# Altium PCB Audio_PCB.PcbDoc (part 2 of 2)
Units mm, origin at the board's own origin, x right, y up, seen from the top; angles counter-clockwise.
Board outline 165.1 x 125.35 mm, 4 copper layers (Top Layerr(SIG), Layer 2(GND), Layer 3(GND), Bottom Layer(SIG)), stack 1.56 mm thick; 101 components, 115 nets, 454 pads, 282 vias.
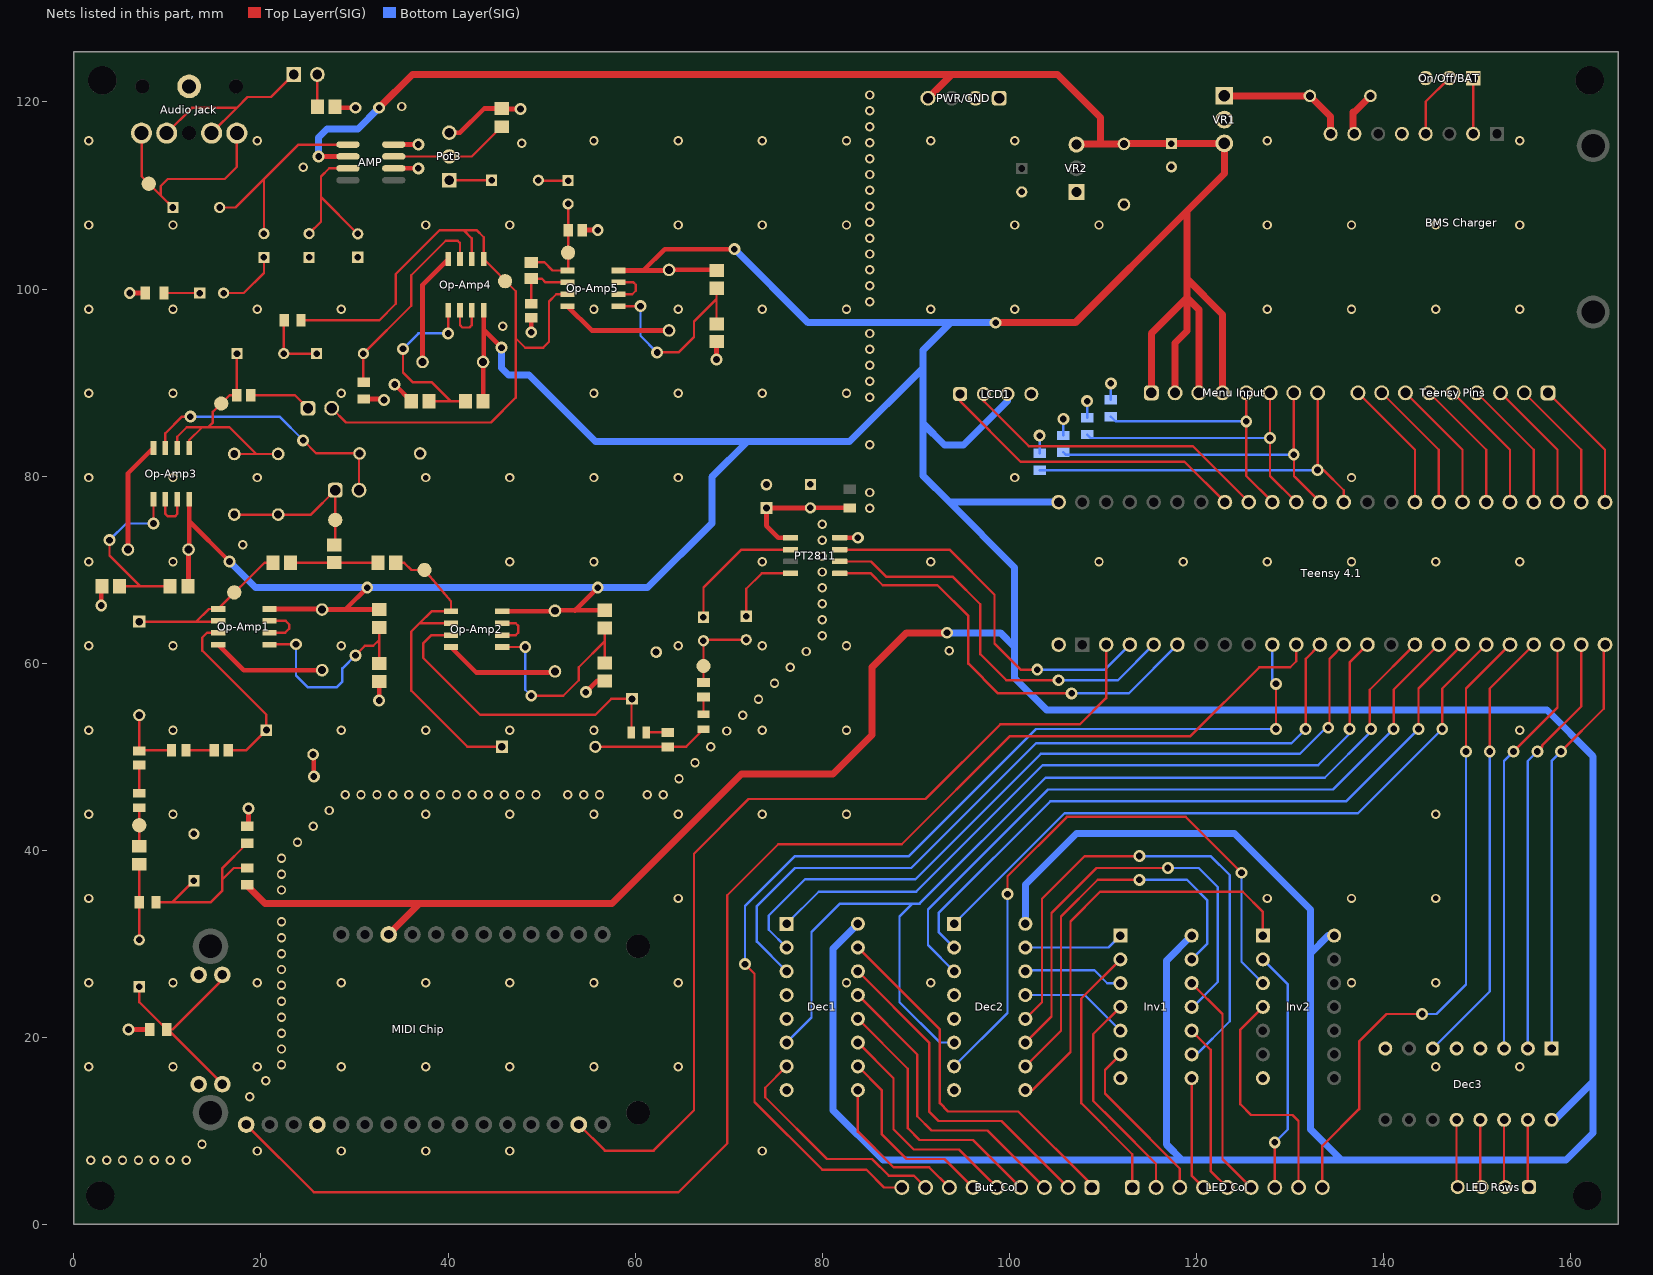
[diagram p4: the nets of this part, all layers, seen from the top]

## Via types
v1: diameter 1, hole 0.6, Top Layerr(SIG) to Bottom Layer(SIG), 210 vias
v2: diameter 1.27, hole 0.711, Top Layerr(SIG) to Bottom Layer(SIG), 72 vias

## Nets (pads, with @x,y where several pads share a name; then routed paths per layer and width w, separated by ;. In a path a pad name is that pad's centre, name@x,y a point inside that pad or via, vN(x,y) a via of type N, cw(c..) or ccw(c..) an arc to the next point about the centre after c; other vN are vias at no path point) (continued)
+5: "Menu Input.1" "Menu Input.2" "Menu Input.3" "Menu Input.4" "MIDI Chip.26" "Teensy 4.1.42" AMP.6 C5.1 C13.1 C17.2 C20.2 C21.2 C30.1 C31.2 Dec1.16 Dec2.16 Dec3.16 Inv1.14 Inv2.14 LCD1.3 Op-Amp1.8 Op-Amp2.8 Op-Amp3.8 Op-Amp4.8 Op-Amp5.8 PWR/GND.4 R3.1 R10.2 R17.2 R22.1 R27.1 R31.1 VR1.3 VR2.3 | length 922.3
  Top Layerr(SIG) w0.5: R22.1@12.257,68.264 C17.2@12.257,72.136 ; C17.2@12.319,72.198 12.319,75.184 ; Op-Amp3.8@12.319,77.524 12.319,75.184 ; v2(16.637,70.866) 12.319,75.184 ; Op-Amp1.8@20.901,65.786 C5.1@26.481,65.786 ; v2(26.162,114.173) AMP.6@29.3,114.173 ; C5.1@26.543,65.724 29.083,65.724 ; v2(31.369,68.072) 29.083,65.786 29.083,65.724 ; R10.2@32.635,65.724 29.083,65.724 ; R27.1@43.749,88.011 C20.2@43.749,92.198 ; C20.2@43.815,92.264 43.815,95.631 ; Op-Amp4.8@43.815,97.717 43.815,95.631 ; v2(45.72,93.726) 43.815,95.631 ; Op-Amp2.8@45.793,65.532 C13.1@51.37,65.532 ; C13.1@51.492,65.654 53.594,65.654 R17.2@56.769,65.654 ; 53.594,65.659 v2(56.007,68.072) ; Op-Amp5.8@58.239,101.981 60.901,101.981 ; C21.2@63.562,101.981 60.901,101.981 ; C21.2@63.627,102.046 R31.1@68.637,102.046 ; v2(70.612,104.267) 63.187,104.267 60.901,101.981 ; C30.1@117.348,115.55 C30.1@117.368,115.57
  Top Layerr(SIG) w0.55: 53.594,65.654 53.594,65.659
  Top Layerr(SIG) w0.75: R22.1@12.192,68.199 R22.1@12.257,68.264 ; C17.2@12.257,72.136 C17.2@12.319,72.198 ; R3.1@18.659,36.078 20.447,34.29 36.957,34.29 ; C5.1@26.481,65.786 C5.1@26.543,65.724 ; R10.2@32.635,65.724 R10.2@32.639,65.72 ; v2(32.639,119.38) 36.195,122.936 93.853,122.936 ; 33.655,30.988 36.957,34.29 ; C13.1@51.37,65.532 C13.1@51.435,65.597 C13.1@51.492,65.654 ; R17.2@56.704,65.719 R17.2@56.769,65.654 ; C21.2@63.562,101.981 C21.2@63.627,102.046 ; R31.1@68.637,102.046 R31.1@68.707,101.976 ; PWR/GND.4@91.313,120.396 93.853,122.936 ; v2(93.345,63.246) 89.027,63.246 85.344,59.563 85.344,52.324 81.153,48.133 71.374,48.133 57.531,34.29 36.957,34.29 ; v2(98.552,96.393) 107.061,96.393 118.999,108.331 ; VR2.3@107.253,115.508 109.761,115.508 ; C31.2@112.268,115.508 109.761,115.508 ; C31.2@112.31,115.55 C30.1@117.348,115.55 ; 115.189,88.9 115.189,95.25 118.999,99.06 ; C30.1@117.368,115.57 VR1.3@122.998,115.57 122.998,112.33 118.999,108.331 ; 117.729,88.9 117.729,94.234 118.999,95.504 118.999,99.06 ; 120.269,88.9 120.269,97.79 118.999,99.06 ; 122.809,88.9 122.809,97.282 118.999,101.092 ; 93.853,122.936 105.156,122.936 109.761,118.331 109.761,115.508 ; 118.999,99.06 118.999,101.092 ; 118.999,101.092 118.999,108.331
  Bottom Layer(SIG) w0.5: Inv2.14@134.112,30.861 Inv2.14@134.747,30.861
  Bottom Layer(SIG) w0.75: v2(16.637,70.866) 19.431,68.072 v2(31.369,68.072) v2(56.007,68.072) 61.341,68.072 68.199,74.93 68.199,79.883 72.009,83.693 ; v2(26.162,114.173) 26.162,116.205 27.051,117.094 30.353,117.094 v2(32.639,119.38) ; v2(45.72,93.726) 45.72,91.567 46.482,90.805 48.641,90.805 55.753,83.693 72.009,83.693 ; v2(70.612,104.267) 78.486,96.393 93.726,96.393 ; Dec1.16@83.82,32.131 81.153,29.464 81.153,12.192 86.487,6.858 118.491,6.858 ; v2(93.345,63.246) 99.06,63.246 100.584,61.722 ; v2(98.552,96.393) 93.726,96.393 ; LCD1.3@99.822,88.773 99.822,88.011 95.123,83.312 93.091,83.312 90.805,85.598 ; Dec2.16@101.727,32.131 101.727,36.322 107.188,41.783 124.079,41.783 132.207,33.655 132.207,28.956 ; 105.283,77.216 93.599,77.216 ; Inv1.14@119.507,30.861 116.84,28.194 116.84,8.509 118.491,6.858 ; Inv2.14@134.112,30.861 132.207,28.956 ; Dec3.16@157.988,11.176 158.369,11.176 162.433,15.24 ; 72.009,83.693 82.931,83.693 90.805,91.567 ; 90.805,85.598 90.805,80.01 93.599,77.216 ; 90.805,85.598 90.805,91.567 ; 90.805,91.567 90.805,93.472 93.726,96.393 ; 93.599,77.216 100.584,70.231 100.584,61.722 ; 100.584,61.722 100.584,58.42 104.013,54.991 157.48,54.991 162.433,50.038 162.433,15.24 ; 118.491,6.858 135.509,6.858 ; 132.207,28.956 132.207,10.16 135.509,6.858 ; 135.509,6.858 159.512,6.858 162.433,9.779 162.433,15.24
GND: "Audio Jack.1" "BMS Charger.5" "BMS Charger.7" "MIDI Chip.4" "MIDI Chip.31" "MIDI Chip.32" "Teensy 4.1.46" AMP.2 AMP.4 C2.2 C4.2 C5.2 C7.2 C8.1 C12.2 C13.2 C16.1 C17.1 C20.1 C21.1 C24.1 C25.1 C29.2 C30.2 C31.1 C32.2 Dec1.4 Dec1.5 Dec1.8 Dec2.4 Dec2.5 Dec2.8 Dec3.4 Dec3.5 Dec3.8 Inv1.7 Inv2.7 LCD1.4 On/Off/BAT.3 Op-Amp1.4 Op-Amp2.4 Op-Amp3.4 Op-Amp4.4 Op-Amp5.4 Pot3.3 PT2811.4 PWR/GND.1 PWR/GND.2 R1.2 R4.2 R11.1 R18.1 R23.1 R26.2 R28.1 R30.2 R32.2 R33.1 R34.2 R35.2 R36.1 R37.2 R38.2 R39.2 R40.2 VR1.2 VR2.1 | length 115.4
  Top Layerr(SIG) w0.5: v2(2.921,66.167) 2.921,68.133 R23.1@2.987,68.199 ; C17.1@5.777,72.136 5.777,80.272 Op-Amp3.4@8.509,83.004 ; v2(5.842,20.828) R1.2@8.117,20.828 ; v2(5.969,99.568) R35.2@7.636,99.568 ; Op-Amp1.4@15.421,61.976 18.153,59.244 C5.2@26.543,59.244 ; R4.2@18.542,42.545 18.669,42.672 v2(18.669,44.45) ; C4.2@25.574,50.232 25.654,50.152 v2(25.654,47.879) ; R36.1@27.935,119.507 28.062,119.38 v2(30.099,119.38) ; R26.2@30.988,88.243 33.042,88.243 v2(33.147,88.138) ; v2(32.639,56.007) R11.1@32.639,58.039 ; AMP.2@34.2,112.903 v2(36.83,112.903) ; AMP.4@34.2,115.443 v2(36.83,115.443) ; v2(34.29,89.789) R28.1@36.068,88.011 ; C20.1@37.273,92.202 37.273,100.465 Op-Amp4.4@40.005,103.197 ; Pot3.3@40.132,116.713 41.275,116.713 43.86,119.298 R34.2@45.72,119.298 45.765,119.253 v2(47.752,119.253) ; Op-Amp2.4@40.313,61.722 43.045,58.99 C13.2@51.435,58.99 ; v2(48.895,95.377) R30.2@48.895,96.925 ; Op-Amp5.4@52.759,98.171 55.364,95.566 C21.1@63.627,95.566 ; R33.1@54.344,106.299 v2(56.007,106.299) ; v2(54.737,56.896) 55.946,58.105 R18.1@56.769,58.105 ; v2(68.707,92.456) R32.2@68.707,94.366 ; PT2811.4@81.883,73.406 v2(83.82,73.406)
  Top Layerr(SIG) w0.75: 136.779,116.586 136.779,118.934 ; 136.906,118.934 C29.2@138.622,120.65
  Bottom Layer(SIG) w0.254: R40.2@103.251,82.434 v2(103.251,84.328) ; R39.2@105.791,84.339 v2(105.791,86.106) ; R38.2@108.331,86.244 v2(108.331,88.011) ; R37.2@110.871,88.149 v2(110.871,89.916)
  other v1: 1.8,6.84 3.5,6.84 5.2,6.84 6.9,6.84 8.6,6.84 10.3,6.84 12,6.84 19.6,7.84 28.6,7.84 37.6,7.84 46.6,7.84 73.6,7.84 13.7,8.54 18.8,13.64 20.5,15.34 1.6,16.84 10.6,16.84 19.6,16.84 28.6,16.84 37.6,16.84 46.6,16.84 55.6,16.84 64.6,16.84 145.6,16.84 154.6,16.84 22.2,17.04 22.2,18.74 22.2,20.44 22.2,22.14 22.2,23.84 22.2,25.54 1.6,25.84 10.6,25.84 19.6,25.84 28.6,25.84 37.6,25.84 46.6,25.84 55.6,25.84 64.6,25.84 82.6,25.84 91.6,25.84 136.6,25.84 145.6,25.84 22.2,27.24 22.2,28.94 22.2,30.64 22.2,32.34 1.6,34.84 64.6,34.84 127.6,34.84 136.6,34.84 145.6,34.84 22.2,35.74 22.2,37.44 22.2,39.14 23.9,40.84 25.6,42.54 1.6,43.84 10.6,43.84 37.6,43.84 46.6,43.84 55.6,43.84 64.6,43.84 73.6,43.84 82.6,43.84 145.6,43.84 27.3,44.24 29,45.94 30.7,45.94 32.4,45.94 34.1,45.94 35.8,45.94 37.5,45.94 39.2,45.94 40.9,45.94 42.6,45.94 44.3,45.94 46,45.94 47.7,45.94 49.4,45.94 52.8,45.94 54.5,45.94 56.2,45.94 61.3,45.94 63,45.94 64.7,47.64 66.4,49.34 68.1,51.04 69.8,52.74 1.6,52.84 10.6,52.84 28.6,52.84 37.6,52.84 46.6,52.84 55.6,52.84 73.6,52.84 82.6,52.84 154.6,52.84 71.5,54.44 73.2,56.14 74.9,57.84 76.6,59.54 78.3,61.24 93.599,61.341 1.6,61.84 10.6,61.84 28.6,61.84 64.6,61.84 73.6,61.84 82.6,61.84 80,62.94 80,64.64 80,66.34 80,68.04 80,69.74 1.6,70.84 10.6,70.84 46.6,70.84 55.6,70.84 73.6,70.84 91.6,70.84 109.6,70.84 118.6,70.84 127.6,70.84 136.6,70.84 145.6,70.84 154.6,70.84 80,71.44 18.034,72.644 80,73.14 80,74.84 85.1,76.54 85.1,78.24 1.6,79.84 10.6,79.84 19.6,79.84 37.6,79.84 46.6,79.84 55.6,79.84 64.6,79.84 100.6,79.84 136.6,79.84 85.1,83.34 85.1,88.44 1.6,88.84 10.6,88.84 28.6,88.84 55.6,88.84 64.6,88.84 73.6,88.84 82.6,88.84 85.1,90.14 85.1,91.84 85.1,93.54 85.1,95.24 45.847,96.012 1.6,97.84 10.6,97.84 19.6,97.84 28.6,97.84 55.6,97.84 64.6,97.84 73.6,97.84 82.6,97.84 91.6,97.84 100.6,97.84 127.6,97.84 136.6,97.84 145.6,97.84 154.6,97.84 85.1,98.64 85.1,100.34 85.1,102.04 85.1,103.74 85.1,105.44 1.6,106.84 10.6,106.84 37.6,106.84 46.6,106.84 64.6,106.84 73.6,106.84 82.6,106.84 100.6,106.84 109.6,106.84 127.6,106.84 136.6,106.84 145.6,106.84 154.6,106.84 85.1,107.14 85.1,108.84 85.1,110.54 85.1,112.24 24.511,113.03 85.1,113.94 47.879,115.57 85.1,115.64 1.6,115.84 19.6,115.84 55.6,115.84 64.6,115.84 73.6,115.84 82.6,115.84 91.6,115.84 100.6,115.84 127.6,115.84 154.6,115.84 85.1,117.34 85.1,119.04 35.052,119.507 85.1,120.74
NetAMP_3: AMP.3 Pot3.2 R34.1 | length 12.8
  Top Layerr(SIG) w0.254: AMP.3@34.2,114.173 Pot3.2@40.132,114.173 42.545,114.173 R34.1@45.72,117.348
NetAMP_5: AMP.5 C26.2 C28.2 | length 22.3
  Top Layerr(SIG) w0.254: C28.2@15.581,108.712 17.272,108.712 20.32,111.76 ; C26.2@20.32,105.918 20.32,111.76 ; AMP.5@29.3,115.443 24.003,115.443 20.32,111.76
NetAMP_7: AMP.7 C24.2 C25.2 | length 15.4
  Top Layerr(SIG) w0.254: C24.2@25.146,105.918 26.416,107.188 26.416,109.835 ; AMP.7@29.3,112.903 27.305,112.903 26.416,112.014 26.416,109.835 ; C25.2@30.353,105.898 26.416,109.835
"NetAudio Jack_2": "Audio Jack.2" "Audio Jack.5" C28.1 pad.18 | length 22.9
  Top Layerr(SIG) w0.254: 7.219,116.666 7.239,116.646 7.239,112.054 9.291,110.002 ; C28.1@10.581,108.712 9.291,110.002 ; 17.419,116.666 17.419,113.05 16.129,111.76 10.033,111.76 9.291,111.018 9.291,110.002
"NetAudio Jack_3": "Audio Jack.3" "Audio Jack.4" Speaker.1 | length 20
  Top Layerr(SIG) w0.254: 9.919,116.666 12.616,119.363 17.416,119.363 ; 14.719,116.666 17.416,119.363 ; Speaker.1@23.495,122.936 21.082,120.523 18.576,120.523 17.416,119.363
"NetBMS Charger_2": "BMS Charger.2" On/Off/BAT.1 | length 6.1
  Top Layerr(SIG) w0.254: 148.971,116.586 149.098,116.713 ; 149.606,116.586 On/Off/BAT.1@149.606,122.555
"NetBMS Charger_4": "BMS Charger.4" On/Off/BAT.2 | length 7.2
  Top Layerr(SIG) w0.254: 143.891,116.586 144.018,116.713 ; 144.526,116.586 144.526,120.015 On/Off/BAT.2@147.066,122.555
"NetBMS Charger_8": "BMS Charger.8" C29.1 VR1.1 | length 14.1
  Top Layerr(SIG) w0.75: VR1.1@122.998,120.65 C29.1@132.142,120.65 134.366,118.426 134.366,116.586
"NetBut. Col_1": "But. Col.1" Dec1.15 | length 40.4
  Top Layerr(SIG) w0.254: Dec1.15@83.82,29.591 92.583,20.828 92.583,12.954 93.472,12.065 100.965,12.065 108.839,4.191 108.839,3.937
"NetBut. Col_2": "But. Col.2" Dec1.14 | length 36.4
  Top Layerr(SIG) w0.254: Dec1.14@83.82,27.051 91.44,19.431 91.44,12.065 92.456,11.049 99.187,11.049 106.299,3.937
"NetBut. Col_3": "But. Col.3" Dec1.13 | length 32.3
  Top Layerr(SIG) w0.254: Dec1.13@83.82,24.511 90.17,18.161 90.17,11.557 91.694,10.033 97.663,10.033 103.759,3.937
"NetBut. Col_4": "But. Col.4" Dec1.12 | length 28.6
  Top Layerr(SIG) w0.254: Dec1.12@83.82,21.971 89.154,16.637 89.154,10.287 90.424,9.017 96.139,9.017 101.219,3.937
"NetBut. Col_5": "But. Col.5" Dec1.11 | length 24.5
  Top Layerr(SIG) w0.254: Dec1.11@83.82,19.431 87.63,15.621 87.63,10.16 89.789,8.001 94.615,8.001 98.679,3.937
"NetBut. Col_6": "But. Col.6" Dec1.10 | length 20.4
  Top Layerr(SIG) w0.254: Dec1.10@83.82,16.891 86.36,14.351 86.36,9.652 89.027,6.985 93.091,6.985 96.139,3.937
"NetBut. Col_7": "But. Col.7" Dec1.9 | length 16.7
  Top Layerr(SIG) w0.254: Dec1.9@83.82,14.351 83.82,9.906 87.63,6.096 91.44,6.096 93.599,3.937
"NetBut. Col_8": "But. Col.8" Dec1.7 | length 25.4
  Top Layerr(SIG) w0.254: Dec1.7@76.2,16.891 73.914,14.605 73.914,13.589 80.518,6.985 85.344,6.985 87.122,5.207 89.789,5.207 91.059,3.937
"NetBut. Col_9": "But. Col.9" "Teensy 4.1.8" | length 114.8
  Top Layerr(SIG) w0.254: v2(71.755,27.813) 72.771,26.797 72.771,13.081 80.01,5.842 84.709,5.842 86.614,3.937 88.519,3.937 ; v2(128.524,52.959) v2@128.524,57.912
  Bottom Layer(SIG) w0.254: v2(71.755,27.813) 71.755,34.036 77.089,39.37 89.281,39.37 102.87,52.959 v2(128.524,52.959) ; 128.143,61.976 128.143,58.166 v2(128.524,57.785)
NetC1_1: "MIDI Chip.29" "MIDI Chip.30" C1.1 R1.1 | length 22.7
  Top Layerr(SIG) w0.254: C1.1@6.985,25.4 6.985,23.76 R1.1@9.917,20.828 10.044,20.828 10.541,20.828 15.875,26.162 15.875,26.67 ; R1.1@10.044,20.817 15.875,14.986
NetC1_2: C1.2 R2.1 R5.1 | length 8.1
  Top Layerr(SIG) w0.254: R5.1@6.974,38.47 R5.1@6.985,38.481 6.985,34.428 R2.1@6.974,34.417 6.985,34.406 C1.2@6.985,30.4
NetC2_1: C2.1 R2.2 R3.2 R4.1 | length 20.3
  Top Layerr(SIG) w0.254: R2.2@8.774,34.417 10.501,34.417 ; C2.1@12.827,36.743 10.501,34.417 ; R3.2@18.542,38.1 17.093,38.1 15.875,36.882 ; R4.1@18.542,40.745 15.875,38.078 15.875,36.882 ; 10.501,34.417 14.605,34.417 15.875,35.687 15.875,36.882
NetC3_1: C3.1 Op-Amp1.1 Op-Amp1.2 pad.12 R19.1 | length 19.3
  Top Layerr(SIG) w0.254: C3.1@6.985,64.436 13.081,64.436 ; Op-Amp1.2@15.421,64.516 15.341,64.436 13.081,64.436 ; R19.1@21.275,70.739 20.374,70.739 Op-Amp1.1@15.421,65.786 14.431,65.786 13.081,64.436
NetC3_2: C3.2 R7.2 R8.1 | length 7.3
  Top Layerr(SIG) w0.254: R7.2@6.985,50.608 R7.2@6.985,50.673 ; C3.2@6.985,54.436 R7.2@6.985,50.673 ; R8.1@10.414,50.673 R7.2@6.985,50.673
NetC4_1: C4.1 Op-Amp1.3 R9.2 | length 19.6
  Top Layerr(SIG) w0.254: Op-Amp1.3@15.421,63.246 14.224,63.246 13.716,62.738 13.716,61.341 20.574,54.483 C4.1@20.574,52.832 18.415,50.673 R9.2@16.499,50.673
NetC7_1: C7.1 C8.2 PT2811.5 R12.1 | length 13.9
  Top Layerr(SIG) w0.254: C8.2@78.72,76.581 C8.2@78.74,76.601 ; R12.1@82.911,76.601 R12.1@82.931,76.581
  Top Layerr(SIG) w0.5: PT2811.5@76.613,73.406 75.311,73.406 74.041,74.676 C7.1@74.041,76.581 C8.2@78.72,76.581 ; C8.2@78.74,76.601 R12.1@82.911,76.601
NetC9_1: C9.1 PT2811.8 | length 8.4
  Top Layerr(SIG) w0.254: C9.1@71.882,65.004 71.882,67.945 73.533,69.596 PT2811.8@76.613,69.596
NetC9_2: C9.2 C10.2 pad.9 R13.1 | length 9.1
  Top Layerr(SIG) w0.254: R13.1@67.31,57.912 R13.1@67.31,57.925 pad.9@67.31,59.69 C10.2@67.31,62.397 67.417,62.504 C9.2@71.882,62.504
NetC10_1: C10.1 PT2811.6 | length 14.2
  Top Layerr(SIG) w0.254: C10.1@67.31,64.897 67.31,68.072 71.374,72.136 PT2811.6@76.613,72.136
NetC11_1: C11.1 Op-Amp2.1 Op-Amp2.2 pad.11 R20.1 | length 35.8
  Top Layerr(SIG) w0.254: R20.1@34.412,70.739 35.306,70.739 36.084,69.961 pad.11@37.481,69.961 40.313,66.621 Op-Amp2.1@40.313,65.532 38.227,65.532 36.957,64.262 ; Op-Amp2.2@40.313,64.262 36.957,64.262 ; C11.1@45.753,51.054 42.07,51.054 36.068,57.056 36.068,63.373 36.957,64.262
NetC11_2: C11.2 R14.2 R15.1 | length 12.2
  Top Layerr(SIG) w0.254: C11.2@55.753,51.054 55.766,51.041 R15.1@63.5,51.041 ; R15.1@63.627,51.067 65.456,51.067 R14.2@67.31,52.921
NetC12_1: C12.1 Op-Amp2.3 R16.2 | length 34
  Top Layerr(SIG) w0.254: Op-Amp2.3@40.313,62.992 38.227,62.992 37.338,62.103 37.338,60.579 43.434,54.483 55.753,54.483 57.444,56.174 C12.1@59.66,56.174 59.614,56.128 R16.2@59.614,52.578
NetC14_1: C14.1 C15.1 pad.14 Pot1.1 R21.1 | length 17.8
  Top Layerr(SIG) w0.254: C14.1@17.145,75.881 C15.1@21.844,75.881 25.335,75.881 Pot1.1@27.94,78.486 27.94,72.766 R21.1@27.813,72.639
NetC14_2: C14.2 C15.2 C18.1 Op-Amp3.1 Op-Amp3.2 pad.15 R24.1 | length 28.3
  Top Layerr(SIG) w0.254: Op-Amp3.2@11.049,83.004 11.049,84.201 12.065,85.217 13.716,85.217 ; Op-Amp3.1@12.319,83.004 12.319,83.82 13.716,85.217 ; C14.2@17.145,82.361 19.494,82.361 ; C18.1@17.411,93.091 R24.1@17.411,88.646 16.637,88.646 14.859,86.868 14.859,85.725 14.351,85.217 ; C15.2@21.844,82.361 19.494,82.361 ; 13.716,85.217 14.351,85.217 ; 14.351,85.217 16.639,85.217 19.494,82.361
NetC16_2: C16.2 Op-Amp3.3 Pot1.2 | length 28.6
  Top Layerr(SIG) w0.254: Op-Amp3.3@9.779,83.004 9.779,84.582 11.557,86.36 v2(12.446,86.36) ; v2(24.511,83.82) 25.908,82.423 C16.2@30.542,82.423 ; Pot1.2@30.48,78.486 C16.2@30.48,82.358
  Bottom Layer(SIG) w0.254: v2(12.446,86.36) 21.971,86.36 v2(24.511,83.82)
NetC18_2: C18.2 C19.1 R25.1 | length 7.1
  Top Layerr(SIG) w0.254: R25.1@22.479,96.647 22.439,96.607 C18.2@22.439,93.091 C19.1@25.948,93.091
NetC19_2: C19.2 Op-Amp4.3 R26.1 | length 22.1
  Top Layerr(SIG) w0.254: R26.1@30.988,90.043 30.948,90.083 C19.2@30.948,93.091 36.068,98.211 36.068,101.473 39.751,105.156 41.021,105.156 41.275,104.902 Op-Amp4.3@41.275,103.197
NetC22_1: C22.1 C23.2 | length 3.2
  Top Layerr(SIG) w0.254: C23.2@49.657,111.633 49.697,111.593 C22.1@52.832,111.593
NetC22_2: C22.2 Op-Amp5.1 pad.17 R29.2 R33.2 | length 11.4
  Top Layerr(SIG) w0.254: R29.2@48.895,102.831 48.934,102.87 50.292,102.87 51.181,101.981 Op-Amp5.1@52.759,101.981 52.844,102.066 R33.2@52.844,106.299 52.844,109.081 C22.2@52.832,109.093
NetC23_1: C23.1 Pot3.1 | length 4.5
  Top Layerr(SIG) w0.254: Pot3.1@40.132,111.633 C23.1@44.657,111.633
NetC26_1: C26.1 C27.2 | length 6.9
  Top Layerr(SIG) w0.254: C27.2@16.002,99.568 18.161,99.568 20.32,101.727 C26.1@20.32,103.378
NetC27_1: C27.1 R35.1 | length 3.8
  Top Layerr(SIG) w0.254: R35.1@9.636,99.568 C27.1@13.462,99.568
NetDec1_1: "Teensy 4.1.12" Dec1.1 | length 78.9
  Top Layerr(SIG) w0.254: v2(136.398,52.959) 136.398,60.071 138.303,61.976
  Bottom Layer(SIG) w0.254: Dec1.1@76.2,32.131 79.629,35.56 90.043,35.56 103.569,49.085 133.032,49.085 136.398,52.451 v2(136.398,52.959)
NetDec1_2: "Teensy 4.1.11" Dec1.2 | length 82
  Top Layerr(SIG) w0.254: v2@134.239,52.959 134.239,60.452 135.763,61.976
  Bottom Layer(SIG) w0.254: Dec1.2@76.2,29.591 74.295,31.496 74.295,33.02 78.168,36.893 89.98,36.893 103.378,50.292 131.064,50.292 133.858,53.086 v2(134.112,53.086)
NetDec1_3: "Teensy 4.1.10" Dec1.3 | length 84.5
  Top Layerr(SIG) w0.254: v2(131.699,52.959) 131.699,60.452 133.223,61.976
  Bottom Layer(SIG) w0.254: Dec1.3@76.2,27.051 73.025,30.226 73.025,34.036 77.089,38.1 89.535,38.1 102.87,51.435 130.175,51.435 v2(131.699,52.959)
NetDec1_6: "Teensy 4.1.24" Dec1.6 Dec2.6 | length 111.7
  Top Layerr(SIG) w0.254: v2@138.684,52.705 138.557,52.832 138.557,57.15 143.383,61.976
  Bottom Layer(SIG) w0.254: Dec1.6@76.2,19.431 78.867,22.098 78.867,31.242 81.915,34.29 89.662,34.29 ; Dec2.6@94.107,19.431 92.583,19.431 88.265,23.749 88.265,32.893 89.662,34.29 ; v2@138.684,52.705 133.731,47.752 103.886,47.752 90.424,34.29 89.662,34.29
  other v2: 138.684,52.959
NetDec2_1: "Teensy 4.1.27" Dec2.1 | length 71.8
  Top Layerr(SIG) w0.254: v2(146.304,52.959) 146.304,57.277 151.003,61.976
  Bottom Layer(SIG) w0.254: Dec2.1@94.107,32.131 105.918,43.942 137.287,43.942 v2(146.304,52.959)
NetDec2_2: "Teensy 4.1.26" Dec2.2 | length 74.8
  Top Layerr(SIG) w0.254: v2(143.764,52.959) 143.764,57.277 148.463,61.976
  Bottom Layer(SIG) w0.254: Dec2.2@94.107,29.591 92.456,31.242 92.456,33.274 104.394,45.212 136.017,45.212 v2(143.764,52.959)
NetDec2_3: "Teensy 4.1.25" Dec2.3 | length 76.8
  Top Layerr(SIG) w0.254: v2@141.097,52.705 v2(141.097,52.959) 141.097,57.15 145.923,61.976
  Bottom Layer(SIG) w0.254: Dec2.3@94.107,27.051 91.313,29.845 91.313,33.655 104.14,46.482 134.62,46.482 v2(141.097,52.959)
NetDec2_7: Dec2.7 Inv2.3 | length 65.6
  Top Layerr(SIG) w0.254: v2(99.822,35.306) 99.822,37.211 106.172,43.561 118.872,43.561 v2(124.841,37.592)
  Bottom Layer(SIG) w0.254: Dec2.7@94.107,16.891 99.822,22.606 v2(99.822,35.306) ; v2(124.841,37.592) 124.841,28.067 Inv2.3@127.127,25.781
NetDec2_9: Dec2.9 Inv2.1 | length 45.8
  Top Layerr(SIG) w0.254: Dec2.9@101.727,14.351 102.489,14.351 106.553,18.415 106.553,32.389 109.724,35.56 124.968,35.56 127.127,33.401 Inv2.1@127.127,30.861
NetDec2_10: Dec2.10 Inv1.13 | length 42.8
  Top Layerr(SIG) w0.254: Dec2.10@101.727,16.891 105.537,20.701 105.537,32.893 109.474,36.83 v2(113.919,36.83)
  Bottom Layer(SIG) w0.254: v2(113.919,36.83) 118.999,36.83 121.158,34.671 121.158,29.972 Inv1.13@119.507,28.321
NetDec2_11: Dec2.11 Inv1.11 | length 49.7
  Top Layerr(SIG) w0.254: Dec2.11@101.727,19.431 104.521,22.225 104.521,33.274 109.347,38.1 v2(116.967,38.1)
  Bottom Layer(SIG) w0.254: v2(116.967,38.1) 120.269,38.1 122.301,36.068 122.301,25.908 119.634,23.241 Inv1.11@119.507,23.241
NetDec2_12: Dec2.12 Inv1.9 | length 57.5
  Top Layerr(SIG) w0.254: Dec2.12@101.727,21.971 103.505,23.749 103.505,34.798 108.077,39.37 v2(113.919,39.37)
  Bottom Layer(SIG) w0.254: v2(113.919,39.37) 121.539,39.37 123.571,37.338 123.571,21.717 120.015,18.161 Inv1.9@119.507,18.161
NetDec2_13: Dec2.13 Inv1.5 | length 11.7
  Bottom Layer(SIG) w0.254: Dec2.13@101.727,24.511 108.077,24.511 Inv1.5@111.887,20.701
NetDec2_14: Dec2.14 Inv1.3 | length 10.8
  Bottom Layer(SIG) w0.254: Dec2.14@101.727,27.051 101.854,27.178 109.093,27.178 110.49,25.781 Inv1.3@111.887,25.781
NetDec2_15: Dec2.15 Inv1.1 | length 10.7
  Bottom Layer(SIG) w0.254: Dec2.15@101.727,29.591 110.617,29.591 Inv1.1@111.887,30.861
NetDec3_1: "Teensy 4.1.32" Dec3.1 | length 45.5
  Top Layerr(SIG) w0.254: v2(159.004,50.546) 163.576,55.118 163.576,61.849 163.703,61.976
  Bottom Layer(SIG) w0.254: Dec3.1@157.988,18.796 157.988,49.53 v2(159.004,50.546)
NetDec3_2: "Teensy 4.1.31" Dec3.2 | length 45.8
  Top Layerr(SIG) w0.254: v2(156.464,50.546) 156.974,51.056 156.974,51.183 161.163,55.372 161.163,61.976
  Bottom Layer(SIG) w0.254: Dec3.2@155.448,18.796 155.448,49.53 v2(156.464,50.546) v2@156.464,50.292
NetDec3_3: "Teensy 4.1.30" Dec3.3 | length 45.5
  Top Layerr(SIG) w0.254: v2(153.924,50.546) 158.623,55.245 158.623,61.976
  Bottom Layer(SIG) w0.254: Dec3.3@152.908,18.796 152.908,49.53 v2(153.924,50.546)
NetDec3_6: "Teensy 4.1.29" Dec3.6 | length 47.8
  Top Layerr(SIG) w0.254: v2(151.384,50.546) 151.384,57.277 156.083,61.976
  Bottom Layer(SIG) w0.254: Dec3.6@145.288,18.923 Dec3.6@145.288,18.796 151.384,24.892 v2(151.384,50.546)
NetDec3_12: "LED Rows.4" Dec3.12 | length 7.2
  Top Layerr(SIG) w0.254: Dec3.12@147.828,11.176 147.828,4.11 147.955,3.983
NetDec3_13: "LED Rows.3" Dec3.13 | length 7.2
  Top Layerr(SIG) w0.254: Dec3.13@150.368,11.176 150.368,4.11 150.495,3.983
NetDec3_14: "LED Rows.2" Dec3.14 | length 7.2
  Top Layerr(SIG) w0.254: Dec3.14@152.908,11.176 152.908,4.11 153.035,3.983
NetDec3_15: "LED Rows.1" Dec3.15 | length 7.2
  Top Layerr(SIG) w0.254: Dec3.15@155.448,11.176 155.448,4.11 155.575,3.983
NetInv1_2: "LED Col.1" Inv1.2 | length 28.4
  Top Layerr(SIG) w0.254: Inv1.2@111.887,28.321 107.696,24.13 107.696,12.954 113.157,7.493 113.157,3.937
NetInv1_4: "LED Col.2" Inv1.4 | length 23.3
  Top Layerr(SIG) w0.254: Inv1.4@111.887,23.241 108.966,20.32 108.966,13.208 111.252,10.922 115.697,6.477 115.697,3.937
NetInv1_6: "LED Col.3" Inv1.6 | length 18.2
  Top Layerr(SIG) w0.254: Inv1.6@111.887,18.161 110.236,16.51 110.236,13.97 111.887,12.319 118.237,5.969 118.237,3.937
NetInv1_8: "LED Col.4" Inv1.8 | length 12.2
  Top Layerr(SIG) w0.254: Inv1.8@119.507,15.621 119.507,5.207 120.777,3.937
NetInv1_10: "LED Col.5" Inv1.10 | length 18.3
  Top Layerr(SIG) w0.254: Inv1.10@119.507,20.701 121.539,18.669 121.539,5.715 123.317,3.937
NetInv1_12: "LED Col.6" Inv1.12 | length 24.5
  Top Layerr(SIG) w0.254: Inv1.12@119.507,25.781 122.809,22.479 122.809,6.985 125.857,3.937
NetInv2_2: "LED Col.7" Inv2.2 | length 26.1
  Top Layerr(SIG) w0.254: 128.397,3.937 v2(128.397,8.763)
  Bottom Layer(SIG) w0.254: Inv2.2@127.127,28.321 129.794,25.654 129.794,10.16 v2(128.397,8.763)
NetInv2_4: "LED Col.8" Inv2.4 | length 25.5
  Top Layerr(SIG) w0.254: Inv2.4@127.127,23.241 124.714,20.828 124.714,12.827 125.857,11.684 130.302,11.684 130.937,11.049 130.937,3.937
NetLCD1_1: "Teensy 4.1.19" LCD1.1 | length 33.6
  Top Layerr(SIG) w0.254: LCD1.1@94.742,88.773 94.742,88.011 101.219,81.534 118.745,81.534 123.063,77.216
NetLCD1_2: "Teensy 4.1.18" LCD1.2 | length 33.6
  Top Layerr(SIG) w0.254: LCD1.2@97.282,88.773 97.282,88.011 102.108,83.185 119.634,83.185 125.603,77.216
"NetLED Col_9": "LED Col.9" "Teensy 4.1.28" | length 69.5
  Top Layerr(SIG) w0.254: 133.477,3.937 133.477,8.382 137.414,12.319 137.414,19.558 140.335,22.479 v2(144.145,22.479) ; v2(148.844,50.546) 148.844,57.277 153.543,61.976
  Bottom Layer(SIG) w0.254: v2(144.145,22.479) 145.669,22.479 148.844,25.654 v2(148.844,50.546)
"NetMenu Input_5": "Menu Input.5" "Teensy 4.1.17" R37.1 | length 27.5
  Top Layerr(SIG) w0.254: 125.349,88.9 v2(125.349,85.852) 125.349,80.01 128.143,77.216
  Bottom Layer(SIG) w0.254: R37.1@110.871,86.349 111.368,85.852 v2(125.349,85.852)
"NetMenu Input_6": "Menu Input.6" "Teensy 4.1.16" R38.1 | length 32.6
  Top Layerr(SIG) w0.254: 127.889,88.9 v2(127.889,84.074) 127.889,80.01 130.683,77.216
  Bottom Layer(SIG) w0.254: R38.1@108.331,84.444 108.701,84.074 v2(127.889,84.074)
"NetMenu Input_7": "Menu Input.7" "Teensy 4.1.15" R39.1 | length 37.4
  Top Layerr(SIG) w0.254: 130.429,88.9 v2(130.429,82.296) 130.451,82.274 130.451,79.988 ; 130.552,79.887 133.223,77.216
  Bottom Layer(SIG) w0.254: R39.1@105.791,82.539 106.034,82.296 v2(130.429,82.296)
"NetMenu Input_8": "Menu Input.8" "Teensy 4.1.14" R40.1 | length 42.3
  Top Layerr(SIG) w0.254: v2(132.969,80.645) 132.969,88.9 ; 133.604,80.645 135.763,78.486 135.763,77.216
  Bottom Layer(SIG) w0.254: R40.1@103.251,80.634 v2@132.958,80.634
"NetMIDI Chip_1": "MIDI Chip.1" "Teensy 4.1.9" | length 156.1
  Top Layerr(SIG) w0.254: 18.415,10.668 25.654,3.429 64.643,3.429 69.85,8.636 69.85,35.179 75.311,40.64 88.519,40.64 100.076,52.197 119.38,52.197 126.746,59.563 130.048,59.563 130.683,60.198 130.683,61.976
"NetMIDI Chip_15": "MIDI Chip.15" "Teensy 4.1.1" | length 99.4
  Top Layerr(SIG) w0.254: 53.975,10.668 56.769,7.874 61.976,7.874 66.294,12.192 66.294,39.624 72.136,45.466 91.059,45.466 99.06,53.467 107.569,53.467 110.358,56.256 ; 110.363,56.261 110.363,61.976
NetOp-Amp1_5: Op-Amp1.5 R10.1 R11.2 | length 22.4
  Top Layerr(SIG) w0.254: Op-Amp1.5@20.901,61.976 20.936,62.011 v2(23.749,62.011) ; v2(30.099,60.833) 31.115,61.849 32.004,61.849 32.639,62.484 ; R11.2@32.639,59.939 32.639,62.484 ; R10.1@32.639,63.82 32.639,62.484
  Bottom Layer(SIG) w0.254: v2(23.749,62.011) 23.749,58.674 25.019,57.404 28.067,57.404 28.702,58.039 28.702,59.436 v2(30.099,60.833)
NetOp-Amp1_6: Op-Amp1.6 Op-Amp1.7 | length 4.7
  Top Layerr(SIG) w0.254: Op-Amp1.6@21.065,63.246 22.58,63.246 23.024,63.691 23.024,64.135 22.643,64.516 Op-Amp1.7@21.065,64.516
NetOp-Amp2_5: Op-Amp2.5 R17.1 R18.2 | length 22.7
  Top Layerr(SIG) w0.254: Op-Amp2.5@45.793,61.722 v2(48.26,61.722) ; v2@49.022,56.515 52.324,56.515 53.975,58.166 53.975,59.563 56.769,62.357 ; R18.2@56.769,60.005 56.769,62.357 ; R17.1@56.769,63.754 56.769,62.357
  Bottom Layer(SIG) w0.254: v2(48.26,61.722) 48.26,57.15 v2(48.895,56.515)
NetOp-Amp2_6: Op-Amp2.6 Op-Amp2.7 | length 4.4
  Top Layerr(SIG) w0.254: Op-Amp2.6@45.793,62.992 47.244,62.992 47.498,63.246 47.498,64.008 47.244,64.262 Op-Amp2.7@45.793,64.262
NetOp-Amp3_5: Op-Amp3.5 R22.2 R23.2 | length 19.8
  Top Layerr(SIG) w0.254: v2(3.81,73.152) 3.81,71.501 7.112,68.199 ; R23.2@4.887,68.199 7.112,68.199 ; v2(8.509,74.93) Op-Amp3.5@8.509,77.524 ; R22.2@10.292,68.199 7.112,68.199
  Bottom Layer(SIG) w0.254: v2(3.81,73.152) 5.588,74.93 v2(8.509,74.93)
NetOp-Amp3_6: Op-Amp3.6 Op-Amp3.7 | length 4.6
  Top Layerr(SIG) w0.254: Op-Amp3.6@9.779,77.524 9.779,75.946 10.033,75.692 10.795,75.692 11.049,75.946 Op-Amp3.7@11.049,77.524
NetOp-Amp4_1: Op-Amp4.1 Op-Amp4.2 Op-Amp5.3 pad.16 Pot2.2 R25.2 | length 80
  Top Layerr(SIG) w0.254: R25.2@24.279,96.647 32.639,96.647 34.417,98.425 34.417,101.6 39.116,106.299 41.656,106.299 ; Pot2.2@27.559,87.249 29.083,85.725 44.577,85.725 47.244,88.392 47.244,94.742 ; Op-Amp4.2@42.545,103.197 42.545,105.41 41.656,106.299 ; Op-Amp5.3@52.759,99.441 51.562,99.441 50.8,98.679 50.8,94.361 50.165,93.726 48.26,93.726 47.244,94.742 ; 41.656,106.299 43.053,106.299 43.815,105.537 Op-Amp4.1@43.815,103.197 47.244,99.768 47.244,94.742
NetOp-Amp4_5: Op-Amp4.5 R27.2 R28.2 | length 20.7
  Top Layerr(SIG) w0.254: v2(35.179,93.599) 35.179,91.059 36.195,90.043 38.227,90.043 40.259,88.011 ; R28.2@37.968,88.011 40.259,88.011 ; v2(40.005,95.25) Op-Amp4.5@40.005,97.717 ; R27.2@41.849,88.011 40.259,88.011
  Bottom Layer(SIG) w0.254: v2(35.179,93.599) 36.83,95.25 v2(40.005,95.25)
NetOp-Amp4_6: Op-Amp4.6 Op-Amp4.7 | length 4.6
  Top Layerr(SIG) w0.254: Op-Amp4.6@41.275,97.717 41.275,96.139 41.529,95.885 42.291,95.885 42.545,96.139 Op-Amp4.7@42.545,97.717
NetOp-Amp5_2: Op-Amp5.2 R29.1 R30.1 | length 6.7
  Top Layerr(SIG) w0.254: R30.1@48.895,98.425 R29.1@48.895,101.131 48.934,101.092 50.038,101.092 50.419,100.711 Op-Amp5.2@52.759,100.711
NetOp-Amp5_5: Op-Amp5.5 R31.2 R32.1 | length 21.5
  Top Layerr(SIG) w0.254: Op-Amp5.5@58.239,98.171 v2(60.579,98.171) ; v2(62.357,93.218) 64.643,93.218 66.294,94.869 66.294,96.52 68.707,98.933 ; R32.1@68.707,96.266 68.707,98.933 ; R31.2@68.707,100.076 68.707,98.933
  Bottom Layer(SIG) w0.254: v2(60.579,98.171) 60.579,94.996 v2(62.357,93.218)
NetOp-Amp5_6: Op-Amp5.6 Op-Amp5.7 | length 4.6
  Top Layerr(SIG) w0.254: Op-Amp5.6@58.239,99.441 59.69,99.441 60.071,99.822 60.071,100.457 59.817,100.711 Op-Amp5.7@58.239,100.711
NetPot2_1: Pot2.1 R24.2 | length 6.7
  Top Layerr(SIG) w0.254: R24.2@18.911,88.646 23.622,88.646 Pot2.1@25.019,87.249
NetPT2811_1: "Teensy 4.1.4" PT2811.1 | length 46.5
  Top Layerr(SIG) w0.254: PT2811.1@81.883,69.596 85.217,69.596 86.487,68.326 92.329,68.326 95.631,65.024 95.631,59.944 98.806,56.769 v2(106.68,56.769)
  Bottom Layer(SIG) w0.254: v2(106.68,56.769) 112.776,56.769 117.983,61.976
NetPT2811_2: "Teensy 4.1.3" PT2811.2 | length 43.5
  Top Layerr(SIG) w0.254: PT2811.2@81.883,70.866 85.217,70.866 86.868,69.215 93.98,69.215 96.901,66.294 96.901,60.96 99.695,58.166 v2(105.283,58.166)
  Bottom Layer(SIG) w0.254: v2(105.283,58.166) 111.633,58.166 115.443,61.976
NetPT2811_3: "Teensy 4.1.2" PT2811.3 | length 39.9
  Top Layerr(SIG) w0.254: PT2811.3@81.883,72.136 90.932,72.136 93.599,72.136 98.425,67.31 98.425,62.103 101.219,59.309 v2@102.362,59.309
  Bottom Layer(SIG) w0.254: v2(102.997,59.309) 110.236,59.309 112.903,61.976
NetR5_2: pad.13 R5.2 R6.1 | length 4.1
  Top Layerr(SIG) w0.254: R5.2@6.985,40.431 R6.1@6.985,44.536
NetR6_2: R6.2 R7.1 | length 3
  Top Layerr(SIG) w0.254: R6.2@6.985,46.086 R7.1@6.985,49.108
NetR8_2: R8.2 R9.1 | length 3
  Top Layerr(SIG) w0.254: R8.2@11.964,50.673 R9.1@14.999,50.673
NetR13_2: R13.2 R14.1 | length 1.9
  Top Layerr(SIG) w0.254: R14.1@67.31,54.521 R13.2@67.31,56.375 R13.2@67.31,56.388
NetR15_2: R15.2 R16.1 | length 2.3
  Top Layerr(SIG) w0.254: R16.1@61.214,52.578 61.227,52.591 R15.2@63.5,52.591
NetR19_2: R19.2 R20.2 R21.2 | length 9.3
  Top Layerr(SIG) w0.254: R19.2@23.175,70.739 R21.2@27.813,70.739 R20.2@32.512,70.739
NetR36_2: R36.2 Speaker.2 | length 3.4
  Top Layerr(SIG) w0.254: R36.2@26.035,119.568 Speaker.2@26.035,122.936
"NetTeensy 4.1_33": "Teensy 4.1.33" "Teensy Pins.1" | length 14.2
  Top Layerr(SIG) w0.254: 157.607,88.9 163.703,82.804 163.703,77.216
"NetTeensy 4.1_34": "Teensy 4.1.34" "Teensy Pins.2" | length 14.2
  Top Layerr(SIG) w0.254: 155.067,88.9 161.163,82.804 161.163,77.216
"NetTeensy 4.1_35": "Teensy 4.1.35" "Teensy Pins.3" | length 14.2
  Top Layerr(SIG) w0.254: 152.527,88.9 158.623,82.804 158.623,77.216
"NetTeensy 4.1_36": "Teensy 4.1.36" "Teensy Pins.4" | length 14.2
  Top Layerr(SIG) w0.254: 149.987,88.9 156.083,82.804 156.083,77.216
"NetTeensy 4.1_37": "Teensy 4.1.37" "Teensy Pins.5" | length 14.2
  Top Layerr(SIG) w0.254: 147.447,88.9 153.543,82.804 153.543,77.216
"NetTeensy 4.1_38": "Teensy 4.1.38" "Teensy Pins.6" | length 14.2
  Top Layerr(SIG) w0.254: 144.907,88.9 151.003,82.804 151.003,77.216
"NetTeensy 4.1_39": "Teensy 4.1.39" "Teensy Pins.7" | length 14.2
  Top Layerr(SIG) w0.254: 142.367,88.9 148.463,82.804 148.463,77.216
"NetTeensy 4.1_40": "Teensy 4.1.40" "Teensy Pins.8" | length 14.2
  Top Layerr(SIG) w0.254: 139.827,88.9 145.923,82.804 145.923,77.216
"NetTeensy 4.1_41": "Teensy 4.1.41" "Teensy Pins.9" | length 14.2
  Top Layerr(SIG) w0.254: 137.287,88.9 143.383,82.804 143.383,77.216
pads on no net: "Audio Jack.MH1" "Audio Jack.MH2" "Audio Jack.MH3" "BMS Charger.1" "BMS Charger.3" "BMS Charger.6" "BMS Charger.P1" "BMS Charger.P2" "MIDI Chip.3" "MIDI Chip.5" "MIDI Chip.6" "MIDI Chip.7" "MIDI Chip.8" "MIDI Chip.9" "MIDI Chip.10" "MIDI Chip.11" "MIDI Chip.12" "MIDI Chip.13" "MIDI Chip.14" "MIDI Chip.16" "MIDI Chip.17" "MIDI Chip.18" "MIDI Chip.19" "MIDI Chip.20" "MIDI Chip.21" "MIDI Chip.22" "MIDI Chip.23" "MIDI Chip.24" "MIDI Chip.25" "MIDI Chip.27" "MIDI Chip.28" "MIDI Chip.MH1" "MIDI Chip.MH2" "MIDI Chip.P$1" "MIDI Chip.P$2" "Teensy 4.1.0" "Teensy 4.1.5" "Teensy 4.1.6" "Teensy 4.1.7" "Teensy 4.1.13" "Teensy 4.1.20" "Teensy 4.1.21" "Teensy 4.1.22" "Teensy 4.1.23" "Teensy 4.1.43" "Teensy 4.1.44" "Teensy 4.1.45" "Teensy 4.1.47" AMP.1 AMP.8 Dec3.7 Dec3.9 Dec3.10 Dec3.11 Inv2.5 Inv2.6 Inv2.8 Inv2.9 Inv2.10 Inv2.11 Inv2.12 Inv2.13 PT2811.7

## Polygon pours and split planes (outlines as drawn)
GND on Bottom Layer(SIG) "GND_L04_P011" (solid, pour order 11): 0,0 165.1,0 165.1,125.349 0,125.349
GND on Layer 3(GND) "GND_L03_P010" (solid, pour order 10): 0,0 165.1,0 165.1,125.349 0,125.349
GND on Layer 2(GND) "GND_L02_P009" (solid, pour order 9): 0,0 165.1,0 165.1,125.349 0,125.349
GND on Top Layerr(SIG) "GND_L01_P008" (solid, pour order 8): 0,0 165.1,0 165.1,125.349 0,125.349

## Silkscreen, mask and mechanical layers (free items; w line width, h text height)
Top Overlay:
  text "Moduloop_Audio V1" at 129.413,40.894 h2
  text "SDP Team 28:  Ryan Gordon   Conor Curtin  Evan Rovelli  Shawn Colby" at 138.557,26.543 h1.52

## Text inside footprints (layer, text, board x,y; h text height)
"Audio Jack": Mechanical 7 "3,5mm" at 9.588,113.576 h1.97
"But. Col": Top Overlay "1" at 108.966,1.905 h1.02 r180; Top Overlay "9" at 88.9,2.032 h1.02 r180
"LED Col": Top Overlay "1" at 113.03,5.715 h1.02; Top Overlay "9" at 133.096,5.842 h1.02
"Menu Input": Top Overlay "8" at 132.588,90.805 h1.02; Top Overlay "1" at 115.062,90.678 h1.02
"Teensy Pins": Top Overlay "1" at 157.734,87.122 h1.02 r180; Top Overlay "9" at 137.668,87.122 h1.02 r180